# Altium PCB dashcam_cpu_v2.0.PcbDoc (part 4 of 4)
Units mil, origin at the board's own origin, x right, y up, seen from the top; angles counter-clockwise.
Board outline 2952.76 x 1476.38 mil, 4 copper layers (Top Layer, Internal L1, Internal L2, Bottom Layer), stack 60.718 mil thick; 574 components, 452 nets, 2535 pads, 0 vias.
Unrouted connection lines stored in the file: 1684.
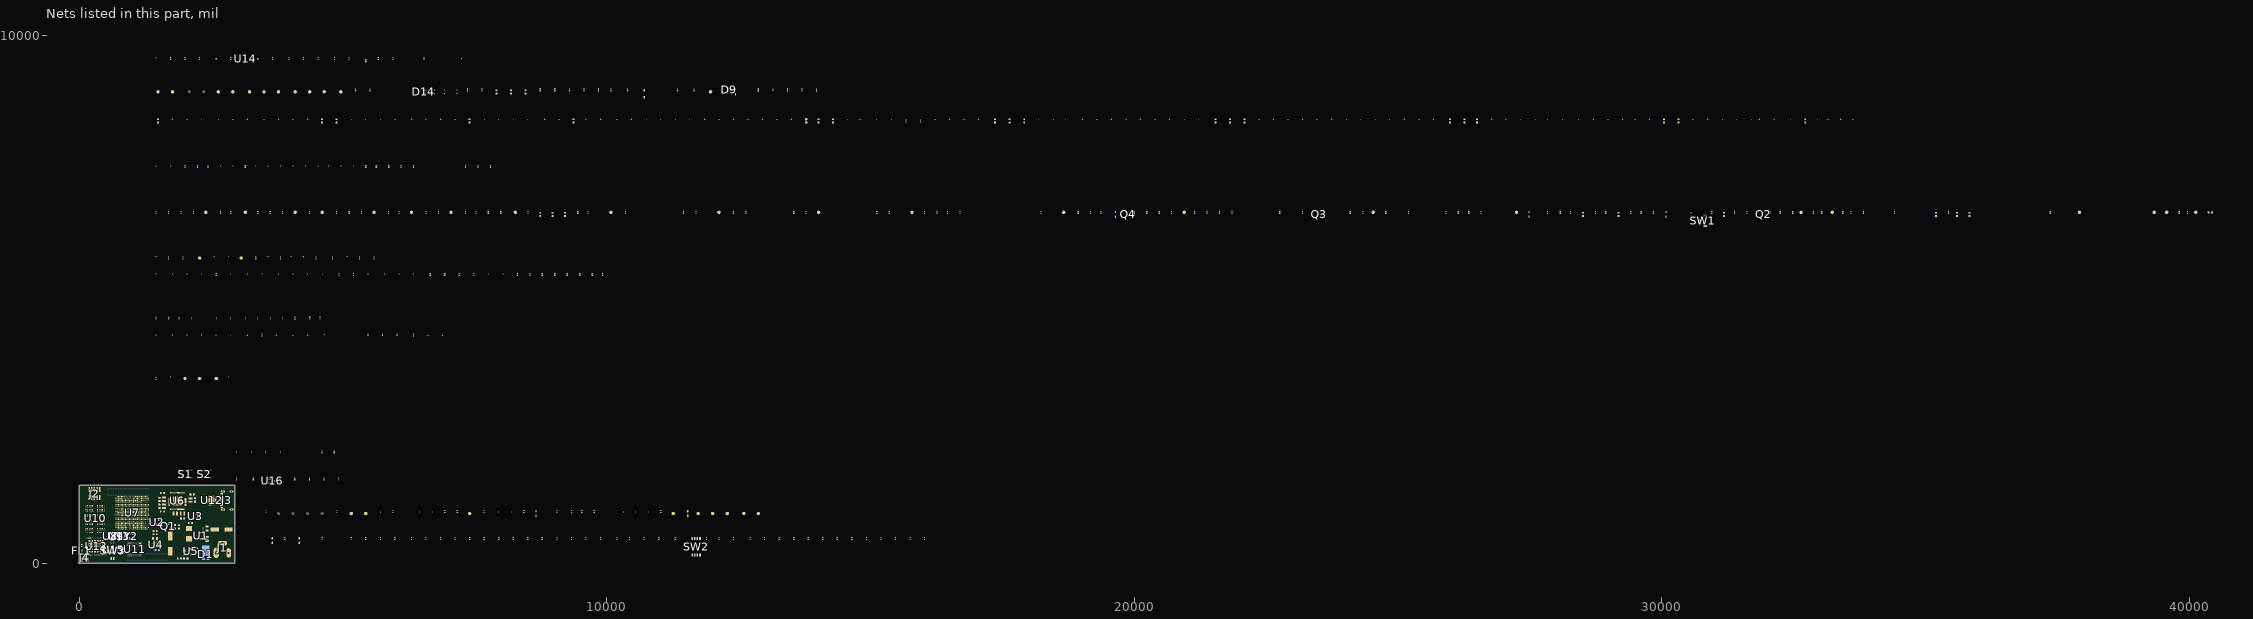
[diagram p4: the nets of this part, all layers, seen from the top]

## Nets (pads, with @x,y where several pads share a name; then routed paths per layer and width w, separated by ;. In a path a pad name is that pad's centre, name@x,y a point inside that pad or via, vN(x,y) a via of type N, cw(c..) or ccw(c..) an arc to the next point about the centre after c; other vN are vias at no path point) (continued)
CONN_IO_10: U7.T7
CONN_IO_11: U7.P5
CONN_IO_12: U7.P7
CONN_IO_13: U7.N5
CONN_IO_14: U7.N6
CONN_IO_15: U7.N7
CONN_IO_16: U7.M6
CONN_IO_17: U7.M7
CONN_IO_18: U7.L6
CONN_IO_19: U7.L7
CONN_IO_20: U7.K7
CONN_IO_21: U7.J6
CONN_IO_22: U7.K5
CONN_IO_23: U7.M4
CONN_IO_24: U7.L4
CONN_IO_25: U7.M5
CONN_IO_26: U7.L5
CONN_IO_27: U7.N4
CONN_IO_28: U7.K4
CONN_IO_29: U7.E6
CONN_IO_30: U7.K1
CONN_IO_31: U7.L1
CONN_IO_32: U7.E1
CONN_IO_33: U7.H1
CONN_IO_34: U7.A3
DBG_UART_M7_RX: U7.D7
DBG_UART_M7_TX: U7.C6
DC_IN: D1.A J1.1 TP54.1
DCDC_3V3: C7.1 C8.1 C9.2 C10.2 C11.2 C12.2 C13.2 C15.2 C22.2 C23.1 C26.2 C27.1 C32.2 C33.1 C39.2 C44.2 C47.2 C52.2 C56.2 C61.2 C62.2 C63.2 C67.2 C68.2 C69.2 C71.2 C76.2 L1.2 Q1.2 R2.1 R4.2 R5.2 R16.2 R25.2 R39.1 TP3.1 U1.5 U2.1 U4.8 U4.13 U5.8 U5.13 U6.7 U6.10 U6.12 U6.17 U6.20 U6.23 U6.24 U6.27 U6.34 U6.37 U6.45 U6.50
DRAM_A_DATA0: U7.AE23 U10.AA11
DRAM_A_DATA1: U7.AD24 U10.Y11
DRAM_A_DATA2: U7.AE22 U10.V11
DRAM_A_DATA3: U7.AD22 U10.U11
DRAM_A_DATA4: U7.AA24 U10.U9
DRAM_A_DATA5: U7.Y25 U10.V9
DRAM_A_DATA6: U7.AA25 U10.Y9
DRAM_A_DATA7: U7.AB25 U10.AA9
DRAM_A_DATA8: U7.AB22 U10.AA2
DRAM_A_DATA9: U7.AA22 U10.Y2
DRAM_A_DATA10: U7.AA23 U10.V2
DRAM_A_DATA11: U7.AA20 U10.U2
DRAM_A_DATA12: U7.AA18 U10.U4
DRAM_A_DATA13: U7.AB19 U10.V4
DRAM_A_DATA14: U7.AA19 U10.Y4
DRAM_A_DATA15: U7.AA17 U10.AA4
DRAM_A_DMI0: U7.AD23 U10.Y10
DRAM_A_DMI1: U7.AB20 U10.Y3
DRAM_A_DQS0_N: U7.AC25 U10.V10
DRAM_A_DQS0_P: U7.AC24 U10.W10
DRAM_A_DQS1_N: U7.AC21 U10.V3
DRAM_A_DQS1_P: U7.AB21 U10.W3
DRAM_B_DATA0: U7.AE3 U10.B2
DRAM_B_DATA1: U7.AD2 U10.C2
DRAM_B_DATA2: U7.AE4 U10.E2
DRAM_B_DATA3: U7.AD4 U10.F2
DRAM_B_DATA4: U7.AA2 U10.F4
DRAM_B_DATA5: U7.Y1 U10.E4
DRAM_B_DATA6: U7.AA1 U10.C4
DRAM_B_DATA7: U7.AB1 U10.B4
DRAM_B_DATA8: U7.AB4 U10.B11
DRAM_B_DATA9: U7.AA4 U10.C11
DRAM_B_DATA10: U7.AA3 U10.E11
DRAM_B_DATA11: U7.AA6 U10.F11
DRAM_B_DATA12: U7.AA8 U10.F9
DRAM_B_DATA13: U7.AB7 U10.E9
DRAM_B_DATA14: U7.AA7 U10.C9
DRAM_B_DATA15: U7.AA9 U10.B9
DRAM_B_DMI0: U7.AD3 U10.C3
DRAM_B_DMI1: U7.AB6 U10.C10
DRAM_B_DQS0_N: U7.AC1 U10.E3
DRAM_B_DQS0_P: U7.AC2 U10.D3
DRAM_B_DQS1_N: U7.AC5 U10.E10
DRAM_B_DQS1_P: U7.AB5 U10.D10
DRAM_CA0_A: U7.AD17 U10.H2
DRAM_CA0_B: U7.AE8 U10.R2
DRAM_CA1_A: U7.AE16 U10.J2
DRAM_CA1_B: U7.AE9 U10.P2
DRAM_CA2_A: U7.AD20 U10.H9
DRAM_CA2_B: U7.AC7 U10.R9
DRAM_CA3_A: U7.AE20 U10.H10
DRAM_CA3_B: U7.AE7 U10.R10
DRAM_CA4_A: U7.AD19 U10.H11
DRAM_CA4_B: U7.AE6 U10.R11
DRAM_CA5_A: U7.AE19 U10.J11
DRAM_CA5_B: U7.AD6 U10.P11
DRAM_CK_A_N: R93.2 R100.2 U7.AE14 U10.J9
DRAM_CK_A_P: R94.2 R100.1 U7.AD14 U10.J8
DRAM_CK_B_N: R96.2 R101.2 U7.AE12 U10.P9
DRAM_CK_B_P: R97.2 R101.1 U7.AD12 U10.P8
DRAM_CKE0_A: U7.AC16 U10.J4
DRAM_CKE0_B: U7.AD10 U10.P4
DRAM_CKE1_A: U7.AE17 U10.J5
DRAM_CKE1_B: U7.AE10 U10.P5
DRAM_nCS0_A: U7.AE18 U10.H4
DRAM_nCS0_B: U7.AC9 U10.R4
DRAM_nCS1_A: U7.AC18 U10.H3
DRAM_nCS1_B: U7.AD8 U10.R3
DRAM_nRESET: R53.2 U7.AB13 U10.T11
DRAM_ODT_CA_A: R92.2 U10.G2
DRAM_ODT_CA_B: R95.2 U10.T2
DRAM_VREF: C213.2 TP24.1 U7.AA14
DRAM_ZQ0: R98.2 U10.A5
DRAM_ZQ1: R99.2 U10.A8
DSI1_CLK_N: U7.C16
DSI1_CLK_P: U7.D16
DSI1_D0_N: U7.A17
DSI1_D0_P: U7.B17
DSI1_D1_N: U7.A16
DSI1_D1_P: U7.B16
DSI1_D2_N: U7.A18
DSI1_D2_P: U7.B18
DSI1_D3_N: U7.A15
DSI1_D3_P: U7.B15
eMMC_VDDIM: C259.2 C260.2 U11.C2
ENET_MDC: U7.N20
ENET_MDIO: U7.N19
ENET_RD0: U7.U19
ENET_RD1: U7.U21
ENET_RD2: U7.U20
ENET_RD3: U7.V19
ENET_RX_CTL: U7.T21
ENET_RXC: U7.T20
ENET_TD0: U7.R20
ENET_TD1: U7.R21
ENET_TD2: U7.R19
ENET_TD3: U7.P20
ENET_TX_CTL: U7.P19
ENET_TXC: U7.T19
GND: ANT1.2 C2.2 C3.1 C4.1 C5.1 C6.1 C7.2 C8.2 C9.1 C10.1 C11.1 C12.1 C16.2 C17.1 C18.1 C19.1 C20.2 C21.1 C22.1 C23.2 C24.2 C26.1 C27.2 C28.1 C29.1 C30.2 C32.1 C33.2 C34.1 C35.1 C36.1 C37.1 C38.1 C39.1 C40.1 C41.1 C42.1 C43.1 C44.1 C45.1 C46.1 C47.1 C48.1 C49.1 C50.1 C51.1 C52.1 C53.1 C54.1 C55.1 C56.1 C57.1 C58.1 C59.1 C60.1 C61.1 C62.1 C63.1 C64.1 C65.1 C66.1 C67.1 C68.1 C69.1 C70.2 C71.1 C72.2 C73.2 C74.1 C75.2 C76.1 C77.2 C78.2 C79.1 C81.2 C82.2 C83.1 C84.1 C85.1 C86.1 C87.1 C88.1 C89.1 C90.1 C91.1 C92.1 C93.1 C94.1 C95.1 C96.1 C97.1 C98.1 C99.1 C100.1 C101.1 C102.1 C103.1 C104.1 C105.1 C106.1 C107.1 C108.1 C109.1 C110.1 C111.2 C112.1 C113.1 C114.1 C115.1 C116.1 C117.1 C118.1 C119.1 C120.1 C121.1 C122.1 C123.1 C124.1 C125.1 C126.1 C127.1 C128.1 C129.1 C130.1 C131.1 C132.1 C133.1 C134.1 C135.1 C136.1 C137.1 C138.1 C139.1 C140.1 C141.1 C142.1 C143.1 C144.1 C145.1 C146.1 C147.1 C148.1 C149.1 C150.1 C151.1 C152.1 C153.1 C154.1 C155.1 C156.1 C157.1 C158.1 C159.1 C160.1 C161.1 C162.1 C163.1 C164.1 C165.1 C166.1 C167.1 C168.1 C169.1 C170.1 C171.1 C172.1 C173.1 C174.1 C175.1 C176.1 C177.1 C178.1 C179.1 C180.1 C181.1 C182.1 C183.1 C184.1 C185.1 C186.1 C187.1 C188.1 C189.1 C190.1 C191.1 C192.1 C193.1 C194.1 C195.1 C196.1 C197.1 C198.1 C199.1 C200.1 C201.1 C202.1 C203.1 C204.1 C205.1 C206.1 C207.1 C208.1 C209.1 C210.1 C211.1 C212.1 C213.1 C214.1 C215.1 C216.1 C217.1 C218.1 C219.1 C220.1 C221.1 C222.1 C223.1 C230.1 C231.1 C232.1 C233.1 C234.1 C235.1 C236.1 C237.1 C238.1 C239.1 C240.1 C241.1 C242.1 C243.1 C244.1 C245.1 C246.1 C247.1 C248.1 C249.1 C250.1 C251.1 C252.1 C253.1 C254.1 C255.1 C256.1 C257.1 C258.1 C259.1 C260.1 C261.1 C262.1 C263.1 C264.1 C265.1 C266.2 C267.1 C268.2 C269.2 C271.1 C272.1 C273.1 C274.1 C275.1 C276.1 C277.1 C278.1 C279.1 C280.1 C281.1 C282.1 C283.1 C284.1 D2.2 D11.1 D12.1 D13.1 FL1.3 FL1.4 J1.2 J1.3 J2.3 J2.5 J3.A1_B12 J3.B1_A12 J3.SH1 J3.SH2 J3.SH3 J3.SH4 J4.2 J4.3 Q2.S Q4.S R11.1 R12.2 R15.2 R18.1 R24.1 R27.1 R28.1 R32.1 R35.2 R53.1 R54.1 R60.2 R61.2 R67.2 R68.2 R69.2 R84.2 R85.2 R87.1 R90.2 R91.2 R93.1 R94.1 R96.1 R97.1 R105.1 R114.1 R115.1 R120.1 R141.2 R142.2 R143.2 R144.2 R145.2 R146.2 R147.2 R148.2 R149.2 R150.2 R151.1 R152.2 R153.1 R154.1 R155.1 R156.2 R157.2 R162.1 R163.1 S1.1 S2.3 SW1.1 TP46.1 TP55.1 U1.2 U1.10 U2.2 U3.1 U4.10 U4.11 U4.12 U4.14 U5.10 U5.11 U5.12 U5.14 U6.14 U6.15 U6.32 U6.48 U6.57 U7.A2 U7.A24 U7.AA5 U7.AA16 U7.AA21 U7.AB2 U7.AB9 U7.AB11 U7.AB18 U7.AB24 U7.AC4 U7.AC19 U7.AC22 U7.AD1 U7.AD7 U7.AD9 U7.AD11 U7.AD13 U7.AD16 U7.AD25 U7.AE2 U7.AE5 U7.AE21 U7.AE24 U7.B1 U7.B25 U7.C8 U7.C10 U7.C13 U7.C15 U7.C24 U7.D10 U7.D13 U7.D15 U7.D23 U7.E4 U7.E10 U7.E13 U7.E14 U7.E16 U7.E19 U7.E20 U7.E21 U7.E22 U7.E23 U7.F10 U7.F13 U7.F14 U7.F16 U7.F20 U7.G9 U7.G10 U7.G13 U7.G17 U7.G18 U7.G24 U7.H8 U7.H9 U7.H10 U7.H11 U7.H12 U7.H13 U7.H17 U7.H18 U7.J3 U7.J8 U7.J11 U7.J12 U7.J13 U7.J14 U7.J17 U7.J18 U7.J19 U7.K8 U7.K11 U7.K13 U7.K17 U7.K18 U7.K23 U7.L8 U7.L11 U7.L14 U7.L17 U7.M8 U7.M11 U7.M14 U7.M17 U7.N3 U7.N12 U7.N14 U7.N15 U7.N16 U7.N17 U7.N18 U7.P6 U7.P8 U7.P11 U7.P14 U7.P17 U7.P18 U7.P23 U7.R7 U7.T3 U7.T4 U7.T9 U7.T10 U7.T11 U7.T12 U7.T13 U7.T14 U7.U8 U7.U9 U7.U15 U7.U16 U7.U18 U7.V4 U7.V8 U7.V16 U7.V17 U7.V23 U7.W1 U7.W7 U7.W8 U7.W9 U7.W10 U7.W11 U7.W12 U7.W13 U7.W14 U7.W15 U7.W16 U7.W22 U7.W25 U7.Y2 U7.Y3 U7.Y4 U7.Y5 U7.Y7 U7.Y9 U7.Y11 U7.Y13 U7.Y15 U7.Y17 U7.Y19 U7.Y21 U7.Y22 U7.Y23 U7.Y24 U8.1 U9.6 U10.A3 U10.A10 U10.AB3 U10.AB5 U10.AB8 U10.AB10 U10.C1 U10.C5 U10.C8 U10.C12 U10.D2 U10.D4 U10.D9 U10.D11 U10.E1 U10.E5 U10.E8 U10.E12 U10.G1 U10.G3 U10.G5 U10.G8 U10.G10 U10.G12 U10.J1 U10.J3 U10.J10 U10.J12 U10.K2 U10.K4 U10.K9 U10.K11 U10.N2 U10.N4 U10.N9 U10.N11 U10.P1 U10.P3 U10.P10 U10.P12 U10.T1 U10.T3 U10.T5 U10.T8 U10.T10 U10.T12 U10.V1 U10.V5 U10.V8 U10.V12 U10.W2 U10.W4 U10.W9 U10.W11 U10.Y1 U10.Y5 U10.Y8 U10.Y12 U11.A6 U11.C4 U11.E7 U11.G5 U11.H10 U11.J5 U11.K8 U11.N2 U11.N5 U11.P4 U11.P6 U12.2 U12.25 U13.1 U13.2 U13.15 U13.16 U13.17 U13.18 U13.19 U13.21 U13.22 U13.24 U13.25 U13.26 U13.31 U13.32 U13.33 U13.36 U13.37 U13.43 U13.45 U13.50 U13.51 U13.52 U13.58 U13.60 U13.62 U13.64 U13.65 U13.66 U13.67 U13.68 U13.69 U13.70 U13.71 U13.72 U13.73 U13.74 U13.75 U13.76 U13.77 U13.78 U13.79 U13.80 U13.81 U13.82 U13.83 U13.84 U13.85 U13.86 U13.87 U13.88 U13.89 U13.90 U13.91 U13.92 U13.93 U13.94 U14.B2 U15.2 U16.1 Y1.2 Y2.2 Y2.4 Y3.2 Y3.4
I2C1_SCL: R34.2 R83.1 U7.E7
I2C1_SDA: R33.2 R82.1 U7.E8
JTAG_MOD: R69.1 U7.U7
JTAG_nTRST: R62.2 TP26.1 U7.U6
JTAG_TCK: J2.4 R68.1 TP29.1 U7.T5
JTAG_TDI: J2.8 R57.1 TP27.1 U7.W5
JTAG_TDO: J2.6 TP30.1 U7.U5
JTAG_TMS: J2.2 R56.1 TP28.1 U7.V5
NetANT1_1: ANT1.1 J4.1 R118.2 TP56.1
NetC1_1: C1.1 L1.1 R6.1 U1.7
NetC1_2: C1.2 R1.2
NetC13_1: C13.1 C14.1 Q1.1 R5.1 R8.2
NetC15_1: C15.1 R6.2 R7.1
NetC16_1: C16.1 Q2.G R9.1
NetC17_2: C17.2 D2.1 R3.1 SW1.2 U1.12
NetC21_2: C21.2 D3.1 R13.2
NetC25_2: C25.2 D4.1 R18.2
NetC31_1: C31.1 Q3.S R20.1 R24.2 U4.3
NetC70_1: C70.1 R38.1 U6.16
NetC74_2: C74.2 R39.2 U6.40
NetC79_2: C79.2 U6.42
NetC80_2: C80.2 C82.1 U6.29
NetC81_1: C81.1 R40.1 U6.43
NetC111_1: C111.1 L9.1 U7.V18
NetC173_2: C173.2 C174.2 L10.1 U7.E15 U7.F15
NetC214_2: C214.2 R59.2 R63.1 U7.W20
NetC216_2: C216.2 R65.1 R66.1 U8.3
NetC226_2: C226.2
NetC227_2: C227.2
NetC266_1: C266.1 U12.16
NetC270_2: C270.2 C272.2 FL1.1
NetC281_2: C281.2 R119.2 R120.2 TP58.1 U14.B1
NetC284_2: C284.2 D16.2 R165.1
NetD5_1: D5.1 U5.7
NetD6_1: D6.1 R58.2
NetD7_1: D7.1 J2.10 R58.1
NetD8_2: D8.2 R107.1 U12.9
NetD9_1: D9.1 R109.1
NetD9_2: D9.2 R108.1
NetD14_3: D14.3 R116.1
NetD14_4: D14.4 R117.1
NetD15_1: D15.1 D16.1 R162.2 U15.1 U15.7
NetFL1_2: FL1.2 R118.1
NetJ2_1: J2.1 R55.1
NetJ2_7: J2.7 R60.1
NetJ2_9: J2.9 R61.1 R62.1
NetJ3_A5: J3.A5 R115.2
NetJ3_B5: J3.B5 R114.2
NetL2_1: L2.1 U4.1 U4.9
NetL3_1: L3.1 U5.1 U5.9
NetL4_1: L4.1 U6.8 U6.9
NetL5_1: L5.1 U6.11
NetL6_1: L6.1 U6.25
NetL7_1: L7.1 U6.35 U6.36
NetL8_1: L8.1 U6.21
NetQ2_D: Q2.D R8.1
NetQ3_D: Q3.D R19.1
NetR1_1: R1.1 U1.8
NetR4_1: R4.1 R7.2 R11.2 U1.11
NetR10_2: R10.2 R12.1 U1.6
NetR14_1: R14.1 R15.1 U2.4
NetR16_1: R16.1 R17.2 U2.3
NetR21_1: R21.1 R28.2 U5.3
NetR22_2: R22.2 U4.5
NetR23_2: R23.2 R26.2 U3.2 U5.5
NetR31_1: R31.1 U6.4
NetR33_1: R33.1 U6.54
NetR34_1: R34.1 U6.53
NetR35_1: R35.1 U6.5
NetR54_2: R54.2 U7.AA13
NetR66_2: R66.2 TP34.1 U7.W19 U8.2
NetR74_2: R74.2
NetR75_2: R75.2
NetR84_1: R84.1 U7.G25
NetR85_1: R85.1 U7.C25
NetR87_2: R87.2 U7.P1
NetR106_1: R106.1 U12.5
NetR122_1: R122.1 R137.2 SW2.5
NetR123_1: R123.1 R138.2 SW2.6
NetR124_1: R124.1 R139.2 SW2.7
NetR126_1: R126.1 R140.2 SW2.8
NetR158_1: R158.1 R159.2 SW3.4
NetR160_1: R160.1 R165.2 U16.2
NetR161_2: R161.2 R164.2 SW3.3
NetR166_2: R166.2
NetTP9_1: TP9.1 U4.7
NetTP23_1: TP23.1 U7.AB14
NetTP25_1: TP25.1 U7.AC13
NetTP35_1: TP35.1 U7.C14
NetTP36_1: TP36.1 U7.C9
nRST: D3.2 D4.2 R23.1 U3.3
nSUSPEND0: U12.1
nSUSPEND1: U12.17
NVCC_1V8: R36.2
NVCC_3V3: C84.2 C85.2 C86.2 C87.2 C88.2 C89.2 C90.2 C91.2 C92.2 R41.2 U6.55 U7.D8 U7.E3 U7.F5 U7.H7 U7.J7 U7.K3 U7.L3 U7.L18 U7.M3 U7.M18 U7.R5 U7.R6 U7.W4
NVCC_DRAM_1V1: C53.2 C54.2 C55.2 C80.1 C192.2 C193.2 C194.2 C195.2 C196.2 C197.2 C198.2 C199.2 C200.2 C201.2 C202.2 C203.2 C204.2 C205.2 C206.2 C207.2 C208.2 C209.2 C210.2 C211.2 C212.2 C236.2 C237.2 C238.2 C239.2 C240.2 C241.2 C242.2 C243.2 C244.2 C245.2 C246.2 C247.2 C248.2 C249.2 C250.2 C251.2 L6.2 R92.1 R95.1 R98.1 R99.1 TP12.1 U6.22 U6.30 U7.AA10 U7.AA15 U7.AB3 U7.AB8 U7.AB17 U7.AB23 U7.AC3 U7.AC6 U7.AC8 U7.AC14 U7.AC17 U7.AC20 U7.AC23 U7.AD5 U7.AD18 U7.AD21 U7.Y12 U7.Y14 U10.A4 U10.A9 U10.AA3 U10.AA5 U10.AA8 U10.AA10 U10.AB4 U10.AB9 U10.B3 U10.B5 U10.B8 U10.B10 U10.D1 U10.D5 U10.D8 U10.D12 U10.F3 U10.F5 U10.F8 U10.F10 U10.H1 U10.H5 U10.H8 U10.H12 U10.K1 U10.K3 U10.K10 U10.K12 U10.N1 U10.N3 U10.N10 U10.N12 U10.R1 U10.R5 U10.R8 U10.R12 U10.U3 U10.U5 U10.U8 U10.U10 U10.W1 U10.W5 U10.W8 U10.W12
NVCC_ECSPI_3V3: R51.2
NVCC_ENET_2V5: C104.2 U7.T18
NVCC_GPIO_3V3: R43.2
NVCC_I2C_3V3: R50.2
NVCC_JTAG_3V3: D6.2 R42.2 R55.2 R56.2 R57.2 R158.2 R164.1 U15.5
NVCC_NAND_3V3: R45.2
NVCC_SAI1_3V3: R46.2 R121.2 R122.2 R123.2 R124.2 R125.2 R126.2 R127.2 R128.2 R129.2 R130.2 R131.2 R132.2 R133.2 R134.2 R135.2 R136.2
NVCC_SAI2_3V3: C222.2 R47.2 U9.1 U9.12
NVCC_SAI3_3V3: R48.2
NVCC_SAI5_3V3: R49.2
NVCC_SD1_1V8: C102.2 C255.2 C256.2 C257.2 C258.2 R37.2 R102.2 R103.2 R104.2 U7.L23 U7.M23 U11.C6 U11.M4 U11.N4 U11.P3 U11.P5
NVCC_SD2: C103.2 R52.2 U7.N23
NVCC_SNVS_3V3: C24.1 C93.2 C215.2 C282.2 C283.2 R2.2 R30.2 R63.2 R64.2 R65.2 R160.2 TP1.1 U3.4 U7.W18 U15.8 U16.3 Y1.3 Y1.4
NVCC_UART_3V3: R44.2
nWDOG: C25.1 U7.R4
ONOFF: C268.1 D15.2 R64.1 S1.3 TP32.1 U7.W21
PCIE1_CLK_N: U7.F24
PCIE1_CLK_P: U7.F25
PCIE1_RX_N: U7.H24
PCIE1_RX_P: U7.H25
PCIE1_TX_N: C224.2
PCIE1_TX_P: C225.2
PCIE1C_TX_C_N: C224.1 U7.J24
PCIE1C_TX_C_P: C225.1 U7.J25
PCIE2_CLK_N: U7.K24
PCIE2_CLK_P: U7.K25
PCIE2_RX_N: U7.D24
PCIE2_RX_P: U7.D25
PCIE2C_TX_C_N: C226.1 U7.E24
PCIE2C_TX_C_P: C227.1 U7.E25
PG_SEQ0: R17.1 TP5.1 U1.3
PMIC_32K_OUT: U7.F6 U13.42
PMIC_nINT: U6.1 U7.P4
PMIC_ON: C38.2 D5.2 R22.1 R29.1 R30.1 U6.56
PMIC_ON_REQ: R26.1 R29.2 U7.V20
PMIC_STBY_REQ: Q4.G R31.2 U7.V21
PMIC_VCORE: C48.2 U6.49
PMIC_VCOREDIG: C45.2 U6.51
PMIC_VCOREREF: C46.2 U6.52
PMIC_VDDOTP: R32.2 U6.47
POR_B: D7.2 D8.1 R59.1 TP31.1 U6.3
PWM_LED: C37.2 Q3.G R27.2 U7.K6
PWR_MODE: Q4.D R25.1 U4.6 U5.6
QSPIA_DQS: C221.2 U7.M20
RF_5GHZ_WF: C270.1 C271.2 U13.20
RTC_CLK_32K768: TP33.1 U7.V22 Y1.1
RX0_TOGGGLE: U12.14 U12.23
SAI1_RXD0: R136.1 R141.1 U7.K2
SAI1_RXD1: R135.1 R142.1 U7.L2
SAI1_RXD2: R134.1 R143.1 U7.H2
SAI1_RXD3: R133.1 R144.1 U7.J2
SAI1_RXD4: R132.1 R145.1 U7.J1
SAI1_RXD5: R131.1 R146.1 U7.F1
SAI1_RXD6: R130.1 R147.1 U7.G2
SAI1_RXD7: R129.1 R148.1 U7.G1
SAI1_TXD0: R128.1 R149.1 U7.F2
SAI1_TXD1: R127.1 R150.1 U7.E2
SAI1_TXD2: R140.1 R151.2 SW2.1 U7.B2
SAI1_TXD3: R125.1 R152.1 U7.D1
SAI1_TXD4: R139.1 R153.2 SW2.2 U7.D2
SAI1_TXD5: R138.1 R154.2 SW2.3 U7.C2
SAI1_TXD6: R137.1 R155.2 SW2.4 U7.B3
SAI1_TXD7: R121.1 R156.1 U7.C1
SAI2_MCLK: U7.H5 U9.4
SAI2_RXD0: U7.H6 U9.5
SAI2_TXD0: U7.G5 U9.3
SAI2_TXRX_FS: U7.J4 U9.2
SC2_I2C_SCL: R77.1 U7.G7
SC2_I2C_SDA: R76.1 U7.F7
SC3_I2C_SCL: R79.1 U7.G8
SC3_I2C_SDA: R78.1 U7.E9
SC4_I2C_SCL: R81.1 U7.F8
SC4_I2C_SDA: R80.1 U7.F9
SD2_CD_B: U7.L21
SD2_CLK: U7.L22
SD2_CMD: U7.M22
SD2_DATA0: U7.N22
SD2_DATA1: U7.N21
SD2_DATA2: U7.P22
SD2_DATA3: U7.P21
SD2_RESET: U7.R22
SD3_CLK: R105.2 TP40.1 U7.K22 U11.M6
SD3_CMD: R103.1 TP39.1 U7.K21 U11.M5
SD3_DATA0: R102.1 TP37.1 U7.L20 U11.A3
SD3_DATA1: U7.J22 U11.A4
SD3_DATA2: U7.L19 U11.A5
SD3_DATA3: U7.M19 U11.B2
SD3_DATA4: U7.K19 U11.B3
SD3_DATA5: U7.F21 U11.B4
SD3_DATA6: U7.H20 U11.B5
SD3_DATA7: U7.H21 U11.B6
SD3_RESET: R104.1 TP41.1 U7.K20 U11.K5
SD3_STROBE: TP38.1 U7.G21 U11.H5
SDIO_CLK: U7.L25 U13.59
SDIO_CMD: U7.L24 U13.57
SDIO_DATA_0: U7.M25 U13.56
SDIO_DATA_1: U7.M24 U13.55
SDIO_DATA_2: U7.N25 U13.53
SDIO_DATA_3: U7.P25 U13.54
SLP_CLK_IN: U7.F3 U13.61
Sys_nRST: C269.1 R13.1 S2.1
TEST_MODE: R67.1 U7.V7
TX0_TOGGGLE: U12.15 U12.24
UART1_RXD: R112.2 TP45.1 U7.C7
UART1_RXD_MCU: R112.1 R116.2 U12.13
UART1_TXD: R113.2 TP44.1 U7.A7
UART1_TXD_MCU: R113.1 R117.2 U12.12
UART2_RXD: R110.2 TP48.1 U7.B6
UART2_RXD_CPU: D9.4 R110.1 U12.21
UART2_TXD: R111.2 TP47.1 U7.D6
UART2_TXD_CPU: D9.3 R111.1 U12.20
UART3_RXD: U7.A6
UART3_TXD: U7.B7
USB1_D1_N: R88.1 U7.B14
USB1_D1_P: R89.1 U7.A14
USB1_D_N: R88.2 TP50.1
USB1_D_P: R89.2 TP49.1
USB1_TUNE: R90.1 U7.A11
USB1_VBUS: R86.1 U7.D14
USB2_C_TX_N: C228.1 U7.B9
USB2_C_TX_P: C229.1 U7.A9
USB2_D2_N: U7.B10
USB2_D2_P: U7.A10
USB2_RX_N: U7.B8
USB2_RX_P: U7.A8
USB2_TUNE: R91.1 U7.B11
USB2_TX_N: C228.2
USB2_TX_P: C229.2
USB2_VBUS: R166.1 U7.D9
USB_DBG_N: D11.2 J3.A7 J3.B7 U12.3
USB_DBG_P: D12.2 J3.A6 J3.B6 U12.4
USNOR_QSPI_DATA0: U7.G20
USNOR_QSPI_DATA1: U7.J20
USNOR_QSPI_DATA2: U7.H22
USNOR_QSPI_DATA3: U7.J21
USNOR_QSPI_SCLK: U7.G19
USNOR_QSPI_SS0_B: U7.H19
VBUS_CP210x: C262.2 C263.2 C267.2 D10.1 U12.7 U12.8
VBUS_USB_DBG: D10.2 D13.2 J3.A4_B9 J3.B4_A9 R86.2 TP42.1 TP51.1
VCAM_1V5: R38.2 TP15.1
VCAM_2V8: C78.1 TP20.1 U6.41
VCC_3V6: C18.2 R10.1 TP6.1 U1.9
VDD_1V8: C64.2 C65.2 C66.2 C230.2 C231.2 C232.2 C233.2 C234.2 C235.2 L8.2 R36.1 R37.1 TP14.1 U6.19 U10.F1 U10.F12 U10.G4 U10.G9 U10.T4 U10.T9 U10.U1 U10.U12
VDD_3V3: C14.2 C223.2 C252.2 C253.2 C254.2 C261.2 C264.2 C265.2 C275.2 C276.2 C280.2 D14.1 D14.2 Q1.3 R41.1 R42.1 R43.1 R44.1 R45.1 R46.1 R47.1 R48.1 R49.1 R50.1 R51.1 R52.1 R76.2 R77.2 R78.2 R79.2 R80.2 R81.2 R82.2 R83.2 R106.2 R107.2 R108.2 R109.2 R119.1 TP4.1 TP43.1 U9.11 U11.E6 U11.F5 U11.J10 U11.K9 U12.6 U13.34 U13.35 U14.A1
VDD_ARM_0V9: C28.2 C29.2 C30.1 C31.2 C115.2 C116.2 C117.2 C118.2 C119.2 C120.2 C121.2 C122.2 C126.2 C127.2 C128.2 C129.2 L2.2 R19.2 R20.2 TP7.1 U4.2 U7.G14 U7.G15 U7.G16 U7.H14 U7.H15 U7.H16 U7.J15 U7.J16 U7.K15 U7.K16 U7.L15 U7.L16 U7.M15 U7.M16
VDD_DRAM_0V9: C57.2 C58.2 C59.2 C60.2 C159.2 C160.2 C161.2 C162.2 C163.2 C164.2 C165.2 C166.2 C167.2 C168.2 C175.2 C176.2 C177.2 C178.2 C179.2 C180.2 C181.2 C182.2 C183.2 C184.2 L7.2 TP13.1 U6.38 U7.U10 U7.U11 U7.U12 U7.U13 U7.U14 U7.V9 U7.V10 U7.V11 U7.V12 U7.V13 U7.V14 U7.V15 U7.Y6 U7.Y8 U7.Y10 U7.Y16 U7.Y18 U7.Y20
VDD_GPU_0V9: C40.2 C41.2 C42.2 C43.2 C147.2 C148.2 C149.2 C150.2 C151.2 C152.2 C153.2 C154.2 C155.2 C156.2 L4.2 TP10.1 U6.6 U7.J9 U7.J10 U7.K9 U7.K10 U7.L9 U7.L10 U7.M9 U7.M10
VDD_PHY_0V9: C72.1 C123.2 C124.2 C125.2 C132.2 C133.2 C134.2 C142.2 C143.2 C144.2 C169.2 C170.2 C171.2 C172.2 L10.2 TP16.1 U6.18 U7.C11 U7.C12 U7.D11 U7.D12 U7.E11 U7.E12 U7.E17 U7.E18 U7.F17 U7.F18 U7.F19 U7.F22 U7.F23 U7.G22 U7.G23 U7.U3 U7.U4 U7.V3
VDD_PHY_1V8: C73.1 C145.2 C146.2 C157.2 C158.2 TP17.1 U6.26 U7.C18 U7.D17 U7.D18 U7.P2
VDD_PHY_3V3: C77.1 C112.2 C113.2 C114.2 C130.2 C131.2 TP19.1 U6.39 U7.F11 U7.F12 U7.G11 U7.G12 U7.H23 U7.J23
VDD_SNVS_0V9: C19.2 C20.1 C94.2 R14.2 R40.2 TP21.1 U2.5 U7.R18
VDD_SOC_0V9: C34.2 C35.2 C36.2 C95.2 C96.2 C97.2 C98.2 C99.2 C100.2 C101.2 C105.2 C106.2 C107.2 C108.2 C109.2 C110.2 L3.2 L9.2 R21.2 TP8.1 U5.2 U7.K12 U7.L12 U7.L13 U7.M12 U7.M13 U7.N13 U7.P12 U7.P13 U7.P15 U7.P16 U7.R8 U7.R9 U7.R10 U7.R11 U7.R12 U7.R13 U7.R14 U7.R15 U7.R16 U7.T8 U7.T17
VDD_VPU_0V9: C49.2 C50.2 C51.2 C135.2 C136.2 C137.2 C138.2 C139.2 C140.2 C141.2 L5.2 TP11.1 U6.13 U7.N8 U7.N9 U7.N10 U7.P9 U7.P10
VDDA_1V8: C75.1 C185.2 C186.2 C187.2 C188.2 C189.2 C190.2 C191.2 R9.2 TP18.1 U6.28 U7.AA11 U7.K14 U7.N11 U7.R17 U7.T15 U7.T16 U7.U17 U7.U23 U7.W17 U7.W23 U7.W24
VREFDDR: C83.2 TP22.1 U6.31
VSYS: C2.1 C3.2 C4.2 C5.2 C6.2 D1.K R3.2 TP2.1 U1.1
WAKEUP_BT: U7.J5 U13.41
WAKEUP_BT_HOST: U7.H3 U13.30
WAKEUP_WLAN: U7.C3 U13.40
WAKEUP_WLAN_HOST: U7.F4 U13.27
WIFI_1V8: C273.2 C274.2 C277.2 C278.2 C279.2 TP57.1 U13.14 U13.63 U14.A2
XTALI_25M: C217.2 R72.1 U7.U25 Y2.1
XTALI_27M: C219.2 R73.1 U7.V25 Y3.1
XTALO_25M: C218.2 R72.2 U7.U24 Y2.3
XTALO_27M: C220.2 R73.2 U7.V24 Y3.3
pads on no net: J3. J3.A8 J3.B8 J5.1 J5.2 J5.3 J5.4 J5.5 J5.6 J5.7 J5.8 J5.9 J5.10 J5.11 J5.12 J5.13 J5.14 J5.15 J5.16 J5.17 J5.18 J5.19 J5.20 J5.21 J5.22 J5.23 J5.24 J5.25 J5.26 J5.27 J5.28 J5.29 J5.30 J5.31 J5.32 J5.33 J5.34 J5.35 J5.36 J5.37 J5.38 J5.39 J5.40 J5.41 J5.42 J5.43 J5.44 J5.45 J5.46 J5.47 J5.48 J5.49 J5.50 J5.51 J5.52 J5.53 J5.54 J5.55 J5.56 J5.57 J5.58 J5.59 J5.60 J5.61 J5.62 J5.63 J5.64 J5.65 J5.66 J5.67 J5.68 J5.69 J5.70 J5.71 J5.72 J5.73 J5.74 J5.75 J5.76 J5.77 J5.78 J5.79 J5.80 J5.81 J5.82 J5.83 J5.84 J5.85 J5.86 J5.87 J5.88 J5.89 J5.90 J5.91 J5.92 J5.93 J5.94 J5.95 J5.96 J5.97 J5.98 J5.99 J5.100 J6.1 J6.2 J6.3 J6.4 J6.5 J6.6 J6.7 J6.8 J6.9 J6.10 J6.11 J6.12 J6.13 J6.14 J6.15 J6.16 J6.17 J6.18 J6.19 J6.20 J6.21 J6.22 J6.23 J6.24 J6.25 J6.26 J6.27 J6.28 J6.29 J6.30 J6.31 J6.32 J6.33 J6.34 J6.35 J6.36 J6.37 J6.38 J6.39 J6.40 J6.41 J6.42 J6.43 J6.44 J6.45 J6.46 J6.47 J6.48 J6.49 J6.50 J6.51 J6.52 J6.53 J6.54 J6.55 J6.56 J6.57 J6.58 J6.59 J6.60 J6.61 J6.62 J6.63 J6.64 J6.65 J6.66 J6.67 J6.68 J6.69 J6.70 J6.71 J6.72 J6.73 J6.74 J6.75 J6.76 J6.77 J6.78 J6.79 J6.80 J6.81 J6.82 J6.83 J6.84 J6.85 J6.86 J6.87 J6.88 J6.89 J6.90 J6.91 J6.92 J6.93 J6.94 J6.95 J6.96 J6.97 J6.98 J6.99 J6.100 S1.2 S1.4 S2.2 S2.4 SW1.3 U1.4 U4.4 U5.4 U6.2 U6.33 U6.44 U6.46 U7.A12 U7.A13 U7.AA12 U7.AB10 U7.AB12 U7.AB15 U7.AB16 U7.AC10 U7.AC11 U7.AC12 U7.AC15 U7.AD15 U7.AE11 U7.AE13 U7.AE15 U7.B12 U7.B13 U7.C17 U7.G6 U7.M21 U7.N24 U7.P24 U7.V1 U7.V2 U10.A1 U10.A2 U10.A11 U10.A12 U10.AA1 U10.AA12 U10.AB1 U10.AB2 U10.AB11 U10.AB12 U10.B1 U10.B12 U10.G11 U10.K5 U10.K8 U10.N5 U10.N8 U11.A1 U11.A2 U11.A7 U11.A8 U11.A9 U11.A10 U11.A11 U11.A12 U11.A13 U11.A14 U11.B1 U11.B7 U11.B8 U11.B9 U11.B10 U11.B11 U11.B12 U11.B13 U11.B14 U11.C1 U11.C3 U11.C5 U11.C7 U11.C8 U11.C9 U11.C10 U11.C11 U11.C12 U11.C13 U11.C14 U11.D1 U11.D2 U11.D3 U11.D4 U11.D12 U11.D13 U11.D14 U11.E1 U11.E2 U11.E3 U11.E5 U11.E8 U11.E9 U11.E10 U11.E12 U11.E13 U11.E14 U11.F1 U11.F2 U11.F3 U11.F10 U11.F12 U11.F13 U11.F14 U11.G1 U11.G2 U11.G3 U11.G10 U11.G12 U11.G13 U11.G14 U11.H1 U11.H2 U11.H3 U11.H12 U11.H13 U11.H14 U11.J1 U11.J2 U11.J3 U11.J12 U11.J13 U11.J14 U11.K1 U11.K2 U11.K3 U11.K6 U11.K7 U11.K10 U11.K12 U11.K13 U11.K14 U11.L1 U11.L2 U11.L3 U11.L12 U11.L13 U11.L14 U11.M1 U11.M2 U11.M3 U11.M7 U11.M8 U11.M9 U11.M10 U11.M11 U11.M12 U11.M13 U11.M14 U11.N1 U11.N3 U11.N6 U11.N7 U11.N8 U11.N9 U11.N10 U11.N11 U11.N12 U11.N13 U11.N14 U11.P1 U11.P2 U11.P7 U11.P8 U11.P9 U11.P10 U11.P11 U11.P12 U11.P13 U11.P14 U12.10 U12.11 U12.18 U12.19 U12.22 U13.3 U13.4 U13.5 U13.6 U13.8 U13.28 U13.29 U13.38 U13.39 U13.44 U15.4

## Silkscreen, mask and mechanical layers (free items; w line width, h text height)
Board:
  lines w5: 0,984.25 0,0 1377.95,0
  lines w10: 0,0 2952.76,0 2952.76,1476.38 0,1476.38 0,0
Top Assembly:
  circle w0.5: c2300,-175.59 r10
  circle w0.5: c550,-175.59 r62.5
  circle w0.5: c2200,-175.59 r10
  circle w0.5: c2500,-175.59 r10
  circle w0.5: c2400,-175.59 r10
  circle w0.5: c2100,-175.59 r10
  circle w0.5: c2000,-175.59 r10
  circle w0.5: c1800,-175.59 r10
  circle w0.5: c1700,-175.59 r10
  circle w0.5: c1600,-175.59 r10
  circle w0.5: c1500,-175.59 r10
  circle w0.5: c1100,-175.59 r10
  circle w0.5: c1300,-175.59 r10
  circle w0.5: c1200,-175.59 r10
  circle w0.5: c1400,-175.59 r10
  circle w0.5: c2601.18,24.41 r62.5
  circle w0.5: c2601.18,1124.41 r62.5
  circle w0.5: c2500,1724.41 r10
  circle w0.5: c2400,1724.41 r10
  circle w0.5: c2200,1724.41 r10
  circle w0.5: c2300,1724.41 r10
  circle w0.5: c2100,1724.41 r10
  circle w0.5: c2000,1724.41 r10
  circle w0.5: c1900,1724.41 r10
  circle w0.5: c1800,1724.41 r10
  circle w0.5: c1641.18,1724.41 r10
  circle w0.5: c1541.18,1724.41 r10
  circle w0.5: c1441.18,1724.41 r10
  circle w0.5: c1341.18,1724.41 r10
  circle w0.5: c1141.18,1724.41 r10
  circle w0.5: c1041.18,1724.41 r10
  circle w0.5: c941.18,1724.41 r10
  circle w0.5: c841.18,1724.41 r10
  circle w0.5: c741.18,1724.41 r10
  circle w0.5: c601.18,1724.41 r62.5
  lines w0.5: 1242.97,1714.57 ccw(c1241.18,1724.41) 1251.18,1724.41